# KiCad board dacboard.kicad_pcb (continued)
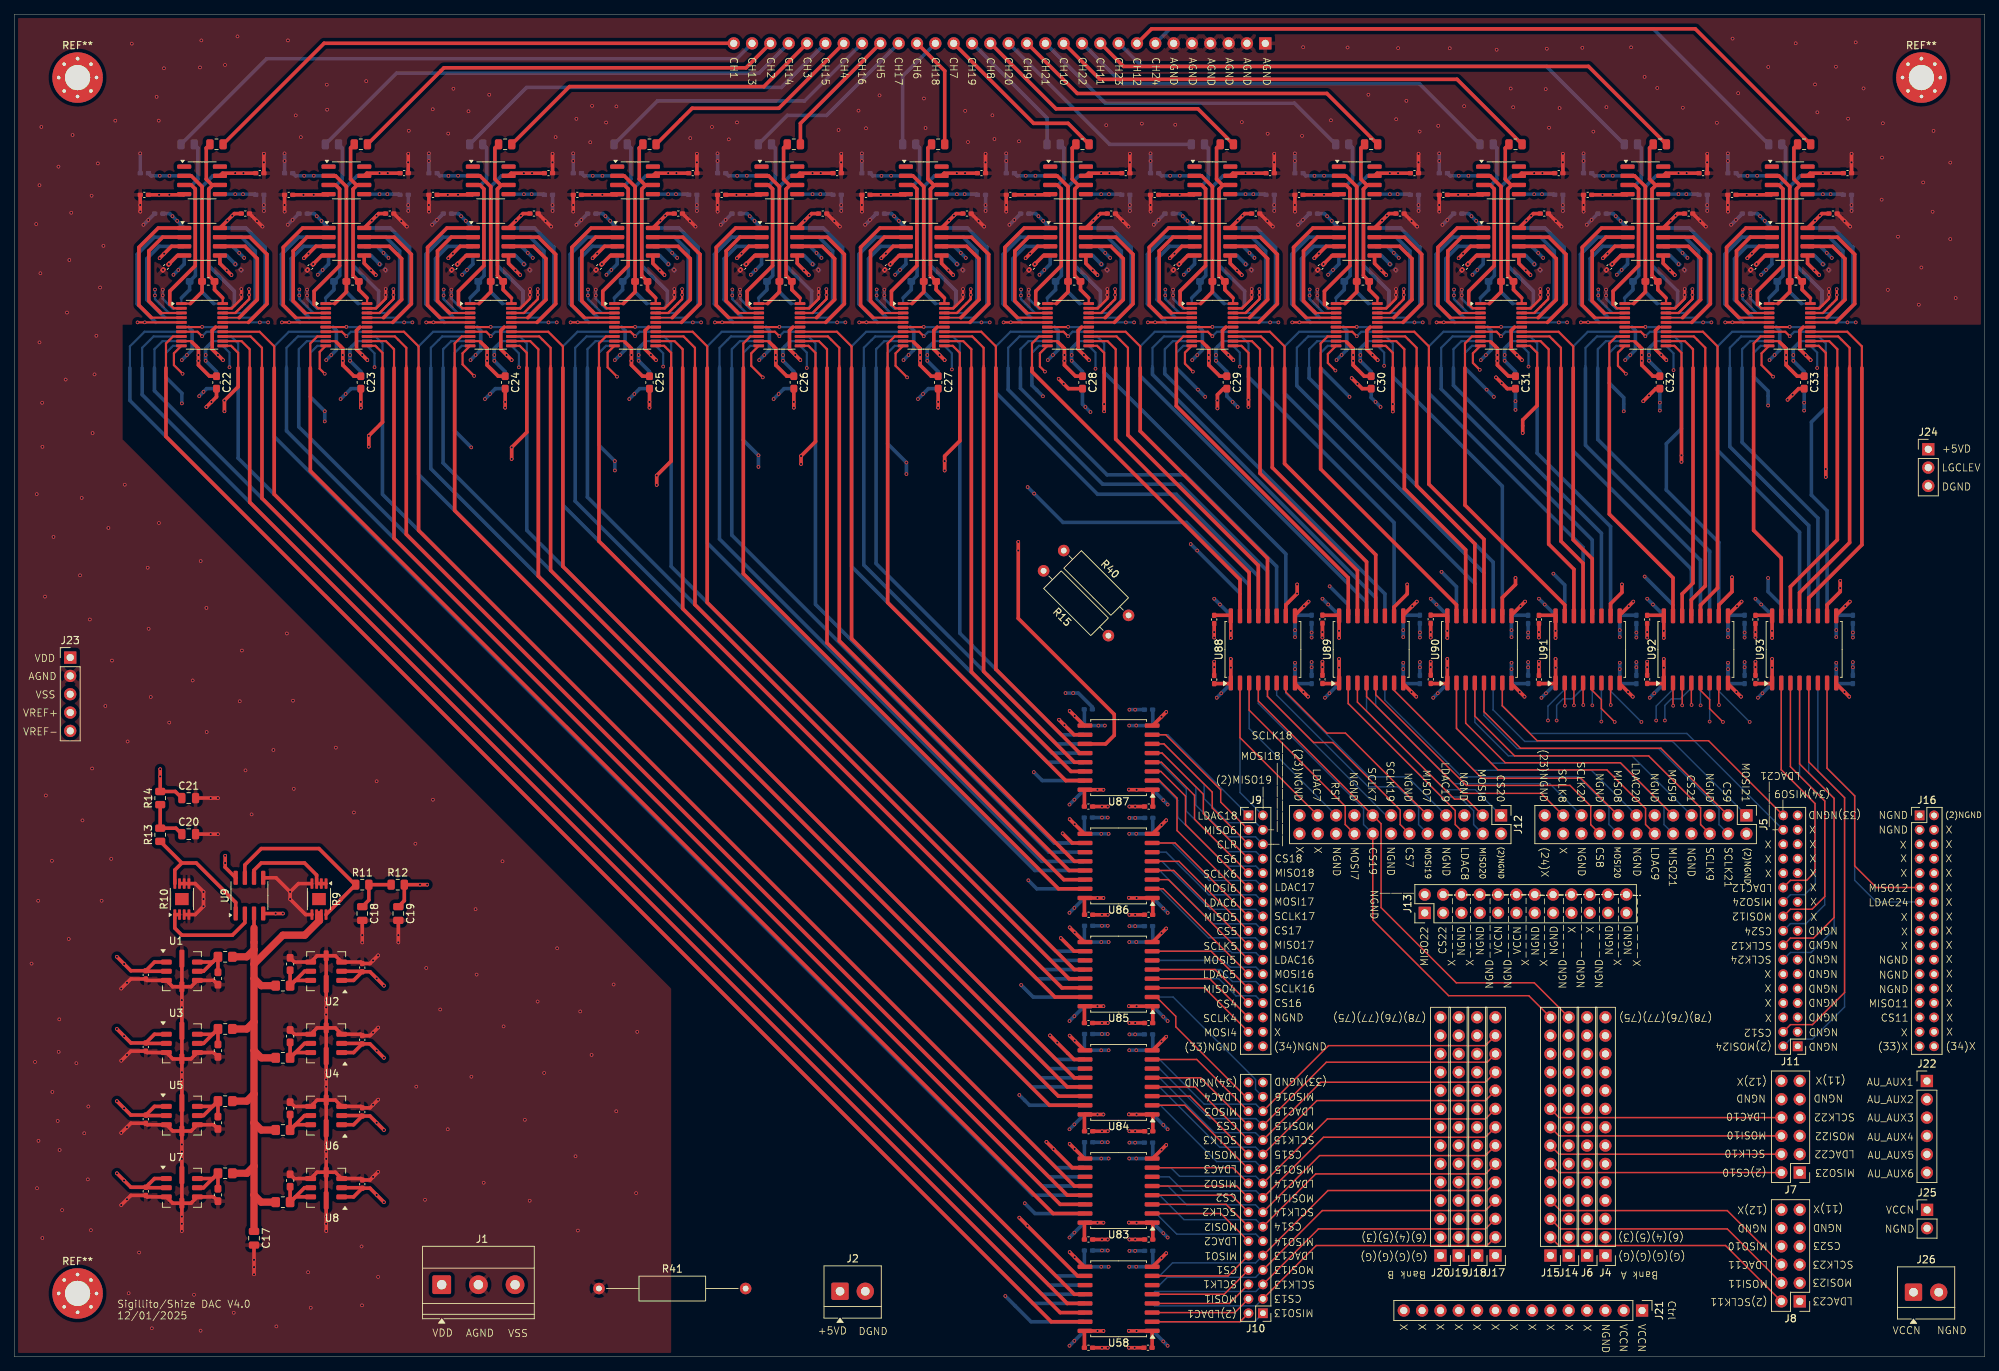
[diagram p0: board, top side]
## Routing (per net, layer and track width the routed paths; a pad name or vN(x,y) marks a point on that pad's centre or on a via; arc(x,y) is an arc through that point) (continued)
DGND: length 349.1
  Top w0.3: U10.15 27.88,142.68 ; U32.15 227.88,142.68 ; U33.15 247.88,142.68 ; U28.15 187.88,142.68 ; U13.15 47.88,142.68 ; U27.15 167.88,142.68 ; U21.15 127.88,142.68 ; U19.15 107.88,142.68 ; U26.15 147.88,142.68 ; U15.15 67.88,142.68 ; U29.15 207.88,142.68 ; U17.15 87.88,142.68
  Top w0.5: v1(245.7,132.6) 247.24,134.14 C33.2 ; 149.4,31.22 v1(151.5,31.22) ; v1(208.9,138.1) 207.4,139.6 207.4,142.2 207.88,142.68 ; C75.1 v1(151.5,16.22) ; v1(248.9,138.1) 247.4,139.6 247.4,142.2 247.88,142.68 ; v1(146.22,14.47) 148.25,12.44 148.26,12.44 ; C24.2 v1(68,131.5) ; v1(194.32,104.62) 192.44,102.75 ; 148.25,27.44 v1(146.22,29.47) ; C93.1 v1(211.25,99.65) ; v1(239.32,104.62) 237.44,102.75 ; C25.2 v1(88,131.5) ; 148.25,72.44 v1(146.22,74.47) ; C28.2 146.06,134.14 v1(144.7,135.5) ; 167.88,142.68 167.4,142.2 167.4,139.6 v1(168.9,138.1) ; C81.1 v1(151.5,46.22) ; v1(179.32,104.62) 177.44,102.75 177.44,102.74 ; v1(205.3,135.7) 206.86,134.14 C31.2 ; v1(228.9,138.1) 227.4,139.6 227.4,142.2 227.88,142.68 ; v1(48.9,138.1) 47.4,139.6 47.4,142.2 47.88,142.68 ; 148.25,42.44 v1(146.22,44.47) ; v1(209.32,104.62) 207.44,102.75 ; 149.4,61.22 v1(151.5,61.22) ; v1(185.3,135.6) 186.76,134.14 C30.2 ; C73.1 v1(151.5,1.22) ; v1(148.9,138.1) 147.4,139.6 147.4,142.2 147.88,142.68 ; C29.2 167.54,134.14 166.7,133.3 v1(166.7,131.4) ; C26.2 v1(108,131.5) ; v1(68.9,138.1) 67.4,139.6 67.4,142.2 67.88,142.68 ; C87.1 v1(166.25,99.65) ; 187.88,142.68 187.4,142.2 187.4,139.6 v1(188.9,138.1) ; C32.2 227.44,134.14 v1(225.7,132.4) ; 148.25,57.44 v1(146.22,59.47) ; v1(108.9,138.1) 107.4,139.6 107.4,142.2 107.88,142.68 ; 148.25,87.44 v1(146.22,89.47) ; v1(254.32,104.62) 252.44,102.75 ; 87.88,142.68 87.4,142.2 87.4,139.6 v1(88.9,138.1) ; v1(128.9,138.1) 127.4,139.6 127.4,142.2 127.88,142.68 ; 181.25,101.58 v1(181.25,99.65) ; C27.2 v1(128,131.5) ; C22.2 28,133 v1(26.6,131.6) ; 149.4,76.22 v1(151.5,76.22) ; 196.25,101.58 v1(196.25,99.65) ; C94.1 v1(226.25,99.65) ; C23.2 v1(48,131.5) ; v1(224.32,104.62) 222.44,102.75 ; C95.1 v1(241.25,99.65) ; 27.88,142.68 27.4,142.2 27.4,139.6 v1(28.9,138.1)
  Bottom w0.3: 83.15,142.68 84.14,142.68 ; 143.15,142.68 144.14,142.68 ; 243.15,142.68 244.14,142.68 ; 163.15,142.68 164.14,142.68 ; 123.15,142.68 124.14,142.68 ; 63.15,142.68 64.14,142.68 ; 43.15,142.68 44.14,142.68 ; 223.15,142.68 224.14,142.68 ; 23.15,142.68 24.14,142.68 ; 183.15,142.68 184.14,142.68 ; 203.15,142.68 204.14,142.68 ; 103.15,142.68 104.14,142.68
  Bottom w0.5: C25.2 86.64,134.14 v1(85.2,132.7) ; 184.14,142.68 184.61,142.2 184.61,139.51 v1(183.2,138.1) ; v1(169.5,131.6) 168,133.1 C29.2 ; v1(149.1,130.9) 148,132 C28.2 ; 168.56,102.74 168.54,102.74 v1(166.25,105.03) ; v1(105.2,132.7) 106.64,134.14 C26.2 ; C31.2 v1(208,131.2) ; C118.1 v1(239.75,99.65) ; 104.14,142.68 104.61,142.2 104.61,139.51 v1(103.2,138.1) ; v1(83.2,138.1) 84.61,139.51 84.61,142.2 84.14,142.68 ; v1(143.2,138.1) 144.61,139.51 144.61,142.2 144.14,142.68 ; 224.75,101.61 v1(224.75,99.65) ; 64.14,142.68 64.61,142.2 64.61,139.51 v1(63.2,138.1) ; C33.2 v1(248,131.1) ; 149.4,44.7 v1(151.5,44.7) ; 209.75,101.61 v1(209.75,99.65) ; 149.4,29.7 v1(151.5,29.7) ; v1(43.2,138.1) 44.61,139.51 44.61,142.2 44.14,142.68 ; C107.1 149.37,90.01 147.43,91.95 v1(145.65,91.95) ; v1(223.2,138.1) 224.61,139.51 224.61,142.2 224.14,142.68 ; C99.1 v1(151.5,14.7) ; 244.14,142.68 244.61,142.2 244.61,139.51 v1(243.2,138.1) ; v1(125.2,132.7) 126.64,134.14 C27.2 ; 254.75,101.61 v1(254.75,99.65) ; 148.26,3.56 148.25,3.56 v1(146.2,1.5) ; 164.14,142.68 164.61,142.2 164.61,139.51 v1(163.2,138.1) ; C24.2 66.64,134.14 v1(65.2,132.7) ; 198.54,102.74 v1(196.25,105.03) ; v1(146.2,46.5) 148.25,48.56 ; v1(146.2,61.5) 148.25,63.56 ; v1(123.2,138.1) 124.61,139.51 124.61,142.2 124.14,142.68 ; C22.2 26.64,134.14 v1(25.6,133.1) ; 24.14,142.68 24.61,142.2 24.61,139.51 v1(23.2,138.1) ; 149.4,74.7 v1(151.5,74.7) ; C23.2 46.64,134.14 v1(45.2,132.7) ; 149.4,59.7 v1(151.5,59.7) ; 213.54,102.74 v1(211.25,105.03) ; 243.54,102.74 v1(241.25,105.03) ; 228.54,102.74 v1(226.25,105.03) ; C112.1 v1(194.75,99.65) ; 204.14,142.68 204.61,142.2 204.61,139.51 v1(203.2,138.1) ; C30.2 188,132.9 v1(189.3,131.6) ; v1(146.2,31.5) 148.25,33.56 ; v1(146.2,16.5) 148.25,18.56 ; C32.2 v1(228,131.1) ; 183.54,102.74 v1(181.25,105.03) ; C111.1 v1(179.75,99.65) ; v1(146.2,76.5) 148.25,78.56
  vias: v1(23.9,138.8) v1(26.2,133.7) v1(27.3,132.3) v1(28.2,138.8) v1(43.9,138.8) v1(45.9,133.4) v1(48,132.3) v1(48.2,138.8) v1(63.9,138.8) v1(65.9,133.4) v1(68,132.3) v1(68.2,138.8) v1(83.9,138.8) v1(85.9,133.4) v1(88,132.3) v1(88.2,138.8) v1(103.9,138.8) v1(105.9,133.4) v1(108,132.3) v1(108.2,138.8) v1(123.9,138.8) v1(125.9,133.4) v1(128,132.3) v1(128.2,138.8) v1(143.9,138.8) v1(145.4,134.8) v1(146.7,91.95) v1(146.93,88.78) v1(146.88,77.17) v1(146.93,73.78) v1(146.88,62.18) v1(146.93,58.78) v1(146.88,47.18) v1(146.93,43.78) v1(146.88,32.18) v1(146.93,28.78) v1(146.88,17.18) v1(146.93,13.78) v1(146.88,2.18) v1(148.2,138.8) v1(148.4,131.6) v1(150.7,76.22) v1(150.7,74.7) v1(150.7,61.22) v1(150.7,59.7) v1(150.7,46.22) v1(150.7,44.7) v1(150.7,31.22) v1(150.7,29.7) v1(150.7,16.22) v1(150.7,14.7) v1(150.7,1.22) v1(163.9,138.8) v1(166.25,100.4) v1(166.7,132.5) v1(167.05,104.22) v1(168.2,138.8) v1(168.8,132.3) v1(178.7,104) v1(179.75,100.35) v1(181.25,100.4) v1(182.05,104.22) v1(183.9,138.8) v1(186.1,134.8) v1(188.2,138.8) v1(188.6,132.3) v1(193.7,104) v1(194.75,100.35) v1(196.25,100.4) v1(197.05,104.22) v1(203.9,138.8) v1(206.1,134.9) v1(208,132.4) v1(208.2,138.8) v1(208.7,104) v1(209.75,100.35) v1(211.25,100.4) v1(212.05,104.22) v1(223.7,104) v1(223.9,138.8) v1(224.75,100.35) v1(226.25,100.4) v1(226.5,133.2) v1(227.05,104.22) v1(228,132.2) v1(228.2,138.8) v1(238.7,104) v1(239.75,100.35) v1(241.25,100.4) v1(242.05,104.22) v1(243.9,138.8) v1(246.4,133.3) v1(248,132.2) v1(248.2,138.8) v1(253.7,104) v1(254.75,100.35)
VCCN: length 132
  Top w0.5: 226.25,93.25 226.26,93.26 228.56,93.26 228.56,96.67 ; 196.25,93.25 196.26,93.26 198.56,93.26 198.56,96.67 ; C84.2 166.26,93.26 168.56,93.26 168.56,96.67 v1(168.55,96.67) ; 243.56,96.67 243.56,93.26 241.26,93.26 241.25,93.25 ; 157.74,78.56 154.43,78.56 ; 157.74,33.56 154.43,33.56 ; 157.74,46.22 157.74,48.55 ; 157.74,3.55 157.74,3.56 154.43,3.56 154.43,3.55 ; 157.74,48.56 154.43,48.56 ; 157.66,3.55 U58.1 157.65,1.23 C72.2 ; 213.56,96.67 213.56,93.26 211.26,93.26 211.25,93.25 ; 181.25,93.25 181.26,93.26 183.56,93.26 183.56,96.67 ; 157.74,61.22 157.74,63.55 ; 157.74,16.22 157.74,18.55 ; 157.74,76.22 157.74,78.55 ; 157.74,63.56 154.43,63.56 ; 157.74,31.22 157.74,33.55 ; 157.74,18.56 154.43,18.56
  Bottom w0.5: 237.44,96.14 237.44,93.26 239.74,93.26 ; v1(177.45,96.15) 177.44,96.14 177.44,93.26 179.74,93.26 C108.2 ; 157.74,74.65 157.74,72.44 154.48,72.44 ; v1(154.47,12.45) 154.48,12.44 157.74,12.44 C96.2 ; 157.74,29.65 157.74,27.44 154.48,27.44 ; 209.74,93.26 207.44,93.26 207.44,96.14 ; 194.74,93.26 192.44,93.26 192.44,96.14 ; 254.74,93.26 252.44,93.26 252.44,96.14 ; 157.74,89.65 157.74,87.44 154.48,87.44 ; 224.74,93.26 222.44,93.26 222.44,96.14 ; 154.48,57.44 157.74,57.44 157.74,59.65 ; 157.74,44.65 157.74,42.44 154.48,42.44
  vias: v1(154.43,78.58) v1(154.43,63.57) v1(154.43,48.57) v1(154.43,33.57) v1(154.43,18.57) v1(154.43,3.57) v1(154.47,87.45) v1(154.47,72.45) v1(154.47,57.45) v1(154.47,42.45) v1(154.47,27.45) v1(155.45,87.45) v1(155.45,72.45) v1(155.45,57.45) v1(155.45,42.45) v1(155.45,27.45) v1(155.45,12.45) v1(155.5,78.55) v1(155.5,63.55) v1(155.5,48.55) v1(155.5,33.55) v1(155.5,18.55) v1(155.5,3.55) v1(168.56,95.47) v1(177.45,95.28) v1(183.55,96.67) v1(183.56,95.47) v1(192.45,96.15) v1(192.45,95.28) v1(198.55,96.67) v1(198.56,95.47) v1(207.45,96.15) v1(207.45,95.28) v1(213.55,96.67) v1(213.56,95.47) v1(222.45,96.15) v1(222.45,95.28) v1(228.55,96.67) v1(228.56,95.47) v1(237.45,96.15) v1(237.45,95.28) v1(243.55,96.67) v1(243.56,95.47) v1(252.45,96.15) v1(252.45,95.28)
VDD: length 449.8
  Top w0.3: U15.5 57.06,143.32 ; U32.5 217.06,143.32 ; v1(17.06,143.32) 17.07,143.32 U10.5 ; U26.5 137.06,143.32 ; U29.5 197.06,143.32 ; U19.5 97.06,143.32 ; U21.5 117.06,143.32 ; U27.5 157.06,143.32 ; U28.5 177.06,143.32 ; U33.5 237.06,143.32 ; U17.5 77.06,143.32 ; U13.5 37.06,143.32
  Top w0.5: C15.1 47,22.13 U8.1 ; C15.1 49.27,23.33 v1(51.2,21.4) ; C15.1 48.13,23.4 U8.2 ; U62.7 88.84,164 C172.1 ; v1(29.2,69.4) v1(29.2,68.4) 29.2,67.81 U9.8 ; C182.1 188.84,164 U67.7 ; C130.1 150.47,158.4 U22.8 ; U59.7 28.84,164 C166.1 ; U31.8 250.47,158.4 C140.1 ; C7.1 49.27,43.33 v1(51.2,41.4) ; C7.1 47,42.13 U4.1 ; C7.1 48.13,43.4 U4.2 ; v1(14.2,35.4) 16.13,33.47 C9.1 ; C174.1 108.84,164 U63.7 ; C180.1 168.84,164 U66.7 ; C1.1 16.13,53.47 v1(15.2,54.4) v1(14.2,55.4) ; C1.1 19.4,54.67 U1.1 ; C1.1 18.27,53.4 U1.2 ; U70.7 248.84,164 C188.1 ; U18.8 110.47,158.4 C122.1 ; v1(51.2,51.4) 49.27,53.33 C3.1 ; C11.1 48.13,33.4 U6.2 ; C11.1 47,32.13 U6.1 ; C11.1 49.27,33.33 v1(51.2,31.4) ; C136.1 210.47,158.4 U25.8 ; U30.8 230.47,158.4 C138.1 ; U65.7 148.84,164 C178.1 ; C3.1 48.13,53.4 U2.2 ; C3.1 47,52.13 U2.1 ; C5.1 16.13,43.47 v1(14.2,45.4) ; C5.1 18.27,43.4 U3.2 ; C5.1 19.4,44.67 U3.1 ; C13.1 18.27,23.4 U7.2 ; C13.1 16.13,23.47 v1(14.2,25.4) ; C13.1 19.4,24.67 U7.1 ; C120.1 70.47,158.4 U14.8 ; C186.1 228.84,164 U69.7 ; C121.1 90.47,158.4 U16.8 ; C168.1 48.84,164 U60.7 ; U20.8 130.47,158.4 C123.1 ; C71.1 50.47,158.4 U12.8 ; U11.8 30.47,158.4 C46.1 ; U64.7 128.84,164 C176.1 ; C132.1 170.47,158.4 U23.8 ; C9.1 18.27,33.4 U5.2 ; C9.1 19.4,34.67 U5.1 ; U24.8 190.47,158.4 C134.1 ; U61.7 68.84,164 C170.1 ; C184.1 208.84,164 U68.7
  Bottom w0.3: U53.5 215.16,143.32 ; U44.5 115.17,143.32 ; U45.5 135.16,143.32 ; U40.5 75.17,143.32 ; U57.5 255.17,143.32 ; U50.5 155.16,143.32 ; U38.5 35.16,143.32 ; U52.5 195.16,143.32 ; U41.5 95.17,143.32 ; U39.5 55.17,143.32 ; U51.5 175.16,143.32 ; U56.5 235.16,143.32
  Bottom w0.5: U74.7 78.93,163.63 C196.1 ; C144.1 41.53,158.4 U35.8 ; U47.8 161.53,158.4 C156.1 ; U42.8 101.53,158.4 C150.1 ; U71.7 18.93,163.63 C190.1 ; U82.7 238.93,163.63 C212.1 ; C210.1 218.93,163.63 U81.7 ; C162.1 221.53,158.4 U54.8 ; U36.8 61.53,158.4 C146.1 ; C152.1 121.53,158.4 U43.8 ; C208.1 198.93,163.63 U80.7 ; U46.8 141.53,158.4 C154.1 ; U72.7 38.93,163.63 C192.1 ; U34.8 21.53,158.4 C142.1 ; C202.1 138.93,163.63 U77.7 ; U78.7 158.93,163.63 C204.1 ; U48.8 181.53,158.4 C158.1 ; U76.7 118.93,163.63 C200.1 ; C206.1 178.93,163.63 U79.7 ; C198.1 98.93,163.63 U75.7 ; U55.8 241.53,158.4 C164.1 ; U37.8 81.53,158.4 C148.1 ; C160.1 201.53,158.4 U49.8 ; U73.7 58.93,163.63 C194.1
  vias: v1(15.2,44.4) v1(15.2,34.4) v1(15.2,24.4) v1(18.06,143.33) v1(20.14,163.64) v1(21.48,163.65) v1(21.9,158.04) v1(22.55,157.39) v1(29.51,157.44) v1(30.18,158.11) v1(30.59,164) v1(31.73,164) v1(34,143.32) v1(35.15,143.32) v1(37.06,143.32) v1(38.06,143.33) v1(40.14,163.64) v1(41.48,163.65) v1(41.9,158.04) v1(42.55,157.39) v1(49.51,157.44) v1(50.18,158.11) v1(50.2,52.4) v1(50.2,42.4) v1(50.2,32.4) v1(50.2,22.4) v1(50.59,164) v1(51.73,164) v1(54,143.32) v1(55.15,143.32) v1(57.06,143.32) v1(58.06,143.33) v1(60.14,163.64) v1(61.48,163.65) v1(61.9,158.04) v1(62.55,157.39) v1(69.51,157.44) v1(70.18,158.11) v1(70.59,164) v1(71.73,164) v1(74,143.32) v1(75.15,143.32) v1(77.06,143.32) v1(78.06,143.33) v1(80.14,163.64) v1(81.48,163.65) v1(81.9,158.04) v1(82.55,157.39) v1(89.51,157.44) v1(90.18,158.11) v1(90.59,164) v1(91.73,164) v1(94,143.32) v1(95.15,143.32) v1(97.06,143.32) v1(98.06,143.33) v1(100.14,163.64) v1(101.48,163.65) v1(101.9,158.04) v1(102.55,157.39) v1(109.51,157.44) v1(110.18,158.11) v1(110.59,164) v1(111.73,164) v1(114,143.32) v1(115.15,143.32) v1(117.06,143.32) v1(118.06,143.33) v1(120.14,163.64) v1(121.48,163.65) v1(121.9,158.04) v1(122.55,157.39) v1(129.51,157.44) v1(130.18,158.11) v1(130.59,164) v1(131.73,164) v1(134,143.32) v1(135.15,143.32) v1(137.06,143.32) v1(138.06,143.33) v1(140.14,163.64) v1(141.48,163.65) v1(141.9,158.04) v1(142.55,157.39) v1(149.51,157.44) v1(150.18,158.11) v1(150.59,164) v1(151.73,164) v1(154,143.32) v1(155.15,143.32) v1(157.06,143.32) v1(158.06,143.33) v1(160.14,163.64) v1(161.48,163.65) v1(161.9,158.04) v1(162.55,157.39) v1(169.51,157.44) v1(170.18,158.11) v1(170.59,164) v1(171.73,164) v1(174,143.32) v1(175.15,143.32) v1(177.06,143.32) v1(178.06,143.33) v1(180.14,163.64) v1(181.48,163.65) v1(181.9,158.04) v1(182.55,157.39) v1(189.51,157.44) v1(190.18,158.11) v1(190.59,164) v1(191.73,164) v1(194,143.32) v1(195.15,143.32) v1(197.06,143.32) v1(198.06,143.33) v1(200.14,163.64) v1(201.48,163.65) v1(201.9,158.04) v1(202.55,157.39) v1(209.51,157.44) v1(210.18,158.11) v1(210.59,164) v1(211.73,164) v1(214,143.32) v1(215.15,143.32) v1(217.06,143.32) v1(218.06,143.33) v1(220.14,163.64) v1(221.48,163.65) v1(221.9,158.04) v1(222.55,157.39) v1(229.51,157.44) v1(230.18,158.11) v1(230.59,164) v1(231.73,164) v1(234,143.32) v1(235.15,143.32) v1(237.06,143.32) v1(238.06,143.33) v1(240.14,163.64) v1(241.48,163.65) v1(241.9,158.04) v1(242.55,157.39) v1(249.51,157.44) v1(250.18,158.11) v1(250.59,164) v1(251.73,164) v1(254,143.32) v1(255.15,143.32)
VSS: length 463.3
  Top w0.3: 71.9,145.93 72.52,146.55 ; 71.9,145.93 71.47,145.5 ; 71.9,145.93 72.52,146.55 ; 71.9,145.93 71.47,145.5 ; 72.52,146.55 72.52,147.91 72.52,146.55 ; 110.6,144.62 U19.18 110.6,144.62 ; 110.6,144.62 111.47,145.5 ; 110.6,144.62 111.47,145.5 ; 231.47,145.5 231.9,145.93 ; 231.47,145.5 230.6,144.62 ; 231.47,145.5 230.6,144.62 ; 231.47,145.5 231.9,145.93 ; 231.9,145.93 232.52,146.55 ; 231.9,145.93 232.52,146.55 ; 170.6,144.62 171.47,145.5 ; 170.6,144.62 171.47,145.5 ; 170.6,144.62 U27.18 170.6,144.62 ; 171.47,145.5 171.9,145.93 ; 171.47,145.5 171.9,145.93 ; 130.6,144.62 131.47,145.5 ; 130.6,144.62 131.47,145.5 ; 130.6,144.62 U21.18 130.6,144.62 ; 131.47,145.5 131.9,145.93 ; 131.47,145.5 131.9,145.93 ; 131.9,145.93 132.52,146.55 ; 131.9,145.93 132.52,146.55 ; 132.52,146.55 132.52,147.91 132.52,146.55 ; 250.6,144.62 U33.18 250.6,144.62 ; 250.6,144.62 251.48,145.5 ; 250.6,144.62 251.48,145.5 ; 150.6,144.62 U26.18 150.6,144.62 ; 150.6,144.62 151.47,145.5 ; 150.6,144.62 151.47,145.5 ; 50.6,144.62 51.48,145.5 ; 50.6,144.62 51.48,145.5 ; 50.6,144.62 U13.18 50.6,144.62 ; 51.48,145.5 51.9,145.93 ; 51.48,145.5 51.9,145.93 ; 211.9,145.93 212.52,146.55 ; 211.9,145.93 211.47,145.5 ; 211.9,145.93 212.52,146.55 ; 211.9,145.93 211.47,145.5 ; 212.52,146.55 212.52,147.91 212.52,146.55 ; 230.6,144.62 U32.18 230.6,144.62 ; 51.9,145.93 52.52,146.55 ; 51.9,145.93 52.52,146.55 ; 52.52,146.55 52.52,147.91 52.52,146.55 ; 71.47,145.5 70.6,144.62 ; 71.47,145.5 70.6,144.62 ; 171.9,145.93 172.52,146.55 ; 171.9,145.93 172.52,146.55 ; 172.52,146.55 172.52,147.91 172.52,146.55 ; 211.47,145.5 210.6,144.62 ; 211.47,145.5 210.6,144.62 ; 30.6,144.62 31.48,145.5 ; 30.6,144.62 U10.18 30.6,144.62 ; 30.6,144.62 31.48,145.5 ; 31.48,145.5 31.9,145.93 ; 31.48,145.5 31.9,145.93 ; 191.47,145.5 191.9,145.93 ; 191.47,145.5 190.6,144.62 ; 191.47,145.5 191.9,145.93 ; 191.47,145.5 190.6,144.62 ; 191.9,145.93 192.52,146.55 ; 191.9,145.93 192.52,146.55 ; 70.6,144.62 U15.18 70.6,144.62 ; 92.52,146.55 92.52,147.91 92.52,146.55 ; 92.52,146.55 91.9,145.93 ; 92.52,146.55 91.9,145.93 ; 251.48,145.5 251.9,145.93 ; 251.48,145.5 251.9,145.93 ; 251.9,145.93 252.52,146.55 ; 251.9,145.93 252.52,146.55 ; 31.9,145.93 32.52,146.55 ; 31.9,145.93 32.52,146.55 ; 32.52,146.55 32.52,147.91 32.52,146.55 ; 190.6,144.62 U28.18 190.6,144.62 ; 232.52,146.55 232.52,147.91 232.52,146.55 ; 151.47,145.5 151.9,145.93 ; 151.47,145.5 151.9,145.93 ; 151.9,145.93 152.52,146.55 ; 151.9,145.93 152.52,146.55 ; 252.52,146.55 252.52,147.91 252.52,146.55 ; 152.52,146.55 152.52,147.91 152.52,146.55 ; 210.6,144.62 U29.18 210.6,144.62 ; 111.9,145.93 112.52,146.55 ; 111.9,145.93 111.47,145.5 ; 111.9,145.93 111.47,145.5 ; 111.9,145.93 112.52,146.55 ; 112.52,146.55 112.52,147.91 112.52,146.55 ; 91.9,145.93 91.47,145.5 ; 91.9,145.93 91.47,145.5 ; 91.47,145.5 90.6,144.62 ; 91.47,145.5 90.6,144.62 ; 192.52,146.55 192.52,147.91 192.52,146.55 ; 90.6,144.62 U17.18 90.6,144.62
  Top w0.5: U59.4 23.43,161 C167.1 ; v1(61.4,151.4) 62.59,152.59 U14.4 ; U68.4 203.43,161 C185.1 ; U64.4 123.43,161 C177.1 ; U67.4 183.43,161 C183.1 ; v1(81.4,151.4) 82.59,152.59 U16.4 ; v1(161.4,151.4) 162.59,152.59 U23.4 ; U30.4 222.59,152.59 v1(221.4,151.4) ; C179.1 143.43,161 U65.4 ; U18.4 102.59,152.59 v1(101.4,151.4) ; U63.4 103.43,161 C175.1 ; C187.1 223.43,161 U69.4 ; U62.4 83.43,161 C173.1 ; U24.4 182.59,152.59 v1(181.4,151.4) ; C189.1 243.43,161 U70.4 ; U31.4 242.59,152.59 v1(241.4,151.4) ; v1(201.4,151.4) 202.59,152.59 U25.4 ; U66.4 163.43,161 C181.1 ; U11.4 22.59,152.59 v1(21.4,151.4) ; U60.4 43.43,161 C169.1 ; U12.4 42.59,152.59 v1(41.4,151.4) ; U61.4 63.43,161 C171.1 ; U9.4 v1(37.2,61.4) ; v1(121.4,151.4) 122.59,152.59 U20.4 ; v1(141.4,151.4) 142.59,152.59 U22.4
  Bottom w0.3: 120.52,145.5 120.1,145.93 ; 120.52,145.5 121.4,144.62 ; 120.52,145.5 121.4,144.62 ; 120.52,145.5 120.1,145.93 ; 120.1,145.93 119.48,146.55 ; 120.1,145.93 119.48,146.55 ; 221.4,144.62 U56.18 221.4,144.62 ; 221.4,144.62 220.52,145.5 ; 221.4,144.62 220.52,145.5 ; 21.4,144.62 23.14,144.62 21.4,144.62 ; 21.4,144.62 20.52,145.5 ; 21.4,144.62 20.52,145.5 ; 181.4,144.62 U52.18 181.4,144.62 ; 181.4,144.62 180.52,145.5 ; 181.4,144.62 180.52,145.5 ; 161.4,144.62 U51.18 161.4,144.62 ; 161.4,144.62 160.52,145.5 ; 161.4,144.62 160.52,145.5 ; 121.4,144.62 U45.18 121.4,144.62 ; 180.52,145.5 180.1,145.93 ; 180.52,145.5 180.1,145.93 ; 240.52,145.5 240.1,145.93 ; 240.52,145.5 240.1,145.93 ; 240.52,145.5 241.4,144.62 ; 240.52,145.5 241.4,144.62 ; 240.1,145.93 239.48,146.55 ; 240.1,145.93 239.48,146.55 ; 220.52,145.5 220.1,145.93 ; 220.52,145.5 220.1,145.93 ; 220.1,145.93 219.48,146.55 ; 220.1,145.93 219.48,146.55 ; 139.48,146.55 139.48,147.91 139.48,146.55 ; 139.48,146.55 140.1,145.93 ; 139.48,146.55 140.1,145.93 ; 159.48,146.55 159.48,147.91 159.48,146.55 ; 159.48,146.55 160.1,145.93 ; 159.48,146.55 160.1,145.93 ; 140.1,145.93 140.52,145.5 ; 140.1,145.93 140.52,145.5 ; 61.4,144.62 U40.18 61.4,144.62 ; 61.4,144.62 60.52,145.5 ; 61.4,144.62 60.52,145.5 ; 160.1,145.93 160.52,145.5 ; 160.1,145.93 160.52,145.5 ; 241.4,144.62 U57.18 241.4,144.62 ; 60.52,145.5 60.1,145.93 ; 60.52,145.5 60.1,145.93 ; 20.52,145.5 20.1,145.93 ; 20.52,145.5 20.1,145.93 ; 60.1,145.93 59.48,146.55 ; 60.1,145.93 59.48,146.55 ; 81.4,144.62 80.52,145.5 ; 81.4,144.62 U41.18 81.4,144.62 ; 81.4,144.62 80.52,145.5 ; 80.52,145.5 80.1,145.93 ; 80.52,145.5 80.1,145.93 ; 219.48,146.55 219.48,147.91 219.48,146.55 ; 41.4,144.62 U39.18 41.4,144.62 ; 41.4,144.62 40.52,145.5 ; 41.4,144.62 40.52,145.5 ; 100.1,145.93 99.48,146.55 ; 100.1,145.93 99.48,146.55 ; 100.1,145.93 100.52,145.5 ; 100.1,145.93 100.52,145.5 ; 99.48,146.55 99.48,147.91 99.48,146.55 ; 101.4,144.62 U44.18 101.4,144.62 ; 101.4,144.62 100.52,145.5 ; 101.4,144.62 100.52,145.5 ; 141.4,144.62 140.52,145.5 ; 141.4,144.62 U50.18 141.4,144.62 ; 141.4,144.62 140.52,145.5 ; 40.52,145.5 40.1,145.93 ; 40.52,145.5 40.1,145.93 ; 40.1,145.93 39.48,146.55 ; 40.1,145.93 39.48,146.55 ; 201.4,144.62 200.52,145.5 ; 201.4,144.62 U53.18 201.4,144.62 ; 201.4,144.62 200.52,145.5 ; 200.52,145.5 200.1,145.93 ; 200.52,145.5 200.1,145.93 ; 179.48,146.55 179.48,147.91 179.48,146.55 ; 179.48,146.55 180.1,145.93 ; 179.48,146.55 180.1,145.93 ; 239.48,146.55 239.48,147.91 239.48,146.55 ; 59.48,146.55 59.48,147.91 59.48,146.55 ; 20.1,145.93 19.48,146.55 ; 20.1,145.93 19.48,146.55 ; 19.48,146.55 19.48,147.91 19.48,146.55 ; 80.1,145.93 79.48,146.55 ; 80.1,145.93 79.48,146.55 ; 79.48,146.55 79.48,147.91 79.48,146.55 ; 200.1,145.93 199.48,146.55 ; 200.1,145.93 199.48,146.55 ; 199.48,146.55 199.48,147.91 199.48,146.55 ; 119.48,146.55 119.48,147.91 119.48,146.55 ; 39.48,146.55 39.48,147.91 39.48,146.55
  Bottom w0.5: 248.47,152.59 249.4,152.59 v1(250.6,151.4) ; v1(110.6,151.4) 109.4,152.59 108.47,152.59 ; 188.47,152.59 189.4,152.59 v1(190.6,151.4) ; 48.47,152.59 49.4,152.59 v1(50.6,151.4) ; 68.47,161.09 73.34,161.09 ; 88.47,152.59 89.4,152.59 v1(90.6,151.4) ; 128.47,161.09 133.34,161.09 ; v1(30.6,151.4) 29.4,152.59 28.47,152.59 ; 48.47,161.09 53.34,161.09 ; 68.47,152.59 69.4,152.59 v1(70.6,151.4) ; v1(170.6,151.4) 169.4,152.59 168.47,152.59 ; 168.47,161.09 173.34,161.09 ; U71.4 33.34,161.09 C191.1 ; 88.47,161.09 93.34,161.09 ; 208.47,161.09 213.34,161.09 ; 228.47,161.09 233.34,161.09 ; 148.47,161.09 153.34,161.09 ; 208.47,152.59 209.4,152.59 v1(210.6,151.4) ; 188.47,161.09 193.34,161.09 ; 228.47,152.59 229.4,152.59 v1(230.6,151.4) ; v1(150.6,151.4) 149.4,152.59 148.47,152.59 ; 128.47,152.59 129.4,152.59 v1(130.6,151.4) ; 248.47,161.09 253.34,161.09 ; 108.47,161.09 113.34,161.09
  vias: v1(19.48,147.88) v1(19.47,147.06) v1(20.05,161) v1(21.47,161.01) v1(30.59,161.09) v1(31.67,161.09) v1(32.51,147.93) v1(32.52,147.14) v1(36.2,61.4) v1(39.48,147.88) v1(39.47,147.06) v1(40.05,161) v1(41.47,161.01) v1(50.59,161.09) v1(51.67,161.09) v1(52.51,147.93) v1(52.52,147.14) v1(59.48,147.88) v1(59.47,147.06) v1(60.05,161) v1(61.47,161.01) v1(70.59,161.09) v1(71.67,161.09) v1(72.51,147.93) v1(72.52,147.14) v1(79.48,147.88) v1(79.47,147.06) v1(80.05,161) v1(81.47,161.01) v1(90.59,161.09) v1(91.67,161.09) v1(92.51,147.93) v1(92.52,147.14) v1(99.48,147.88) v1(99.47,147.06) v1(100.05,161) v1(101.47,161.01) v1(110.59,161.09) v1(111.67,161.09) v1(112.51,147.93) v1(112.52,147.14) v1(119.48,147.88) v1(119.47,147.06) v1(120.05,161) v1(121.47,161.01) v1(130.59,161.09) v1(131.67,161.09) v1(132.51,147.93) v1(132.52,147.14) v1(139.48,147.88) v1(139.47,147.06) v1(140.05,161) v1(141.47,161.01) v1(150.59,161.09) v1(151.67,161.09) v1(152.51,147.93) v1(152.52,147.14) v1(159.48,147.88) v1(159.47,147.06) v1(160.05,161) v1(161.47,161.01) v1(170.59,161.09) v1(171.67,161.09) v1(172.51,147.93) v1(172.52,147.14) v1(179.48,147.88) v1(179.47,147.06) v1(180.05,161) v1(181.47,161.01) v1(190.59,161.09) v1(191.67,161.09) v1(192.51,147.93) v1(192.52,147.14) v1(199.48,147.88) v1(199.47,147.06) v1(200.05,161) v1(201.47,161.01) v1(210.59,161.09) v1(211.67,161.09) v1(212.51,147.93) v1(212.52,147.14) v1(219.48,147.88) v1(219.47,147.06) v1(220.05,161) v1(221.47,161.01) v1(230.59,161.09) v1(231.67,161.09) v1(232.51,147.93) v1(232.52,147.14) v1(239.48,147.88) v1(239.47,147.06) v1(240.05,161) v1(241.47,161.01) v1(250.59,161.09) v1(251.67,161.09) v1(252.51,147.93) v1(252.52,147.14)
AU_AUX1: length 54.4
  In4.Cu w0.2: J14.6 216.53,27.85 241.83,27.85 243.27,29.29 256.11,29.29 J22.1
AU_AUX2: length 56.9
  In3.Cu w0.2: J22.2 256.14,26.78 244.22,26.78 242.75,25.31 213.99,25.31 J15.5
AU_AUX3: length 48.3
  In4.Cu w0.2: J4.5 256.06,24.16 J22.3
AU_AUX4: length 48.3
  In4.Cu w0.2: J4.4 256.06,21.62 J22.4
AU_AUX5: length 48.3
  In4.Cu w0.2: J22.5 256.06,19.08 J4.3
AU_AUX6: length 48.3
  In4.Cu w0.2: J22.6 256.06,16.54 J4.2
BUF1_VOUT: length 76.6
  Top w0.5: 99.69,182 42.91,182 28.91,168 R16.2
BUF2_VOUT: length 61.7
  Top w0.5: 104.77,182 101.37,178.6 59.51,178.6 59.11,178.2 59.11,178.2 R17.2
BUF3_VOUT: length 46.7
  Top w0.5: R18.2 76.91,176 103.85,176 109.85,182
BUF4_VOUT: length 31.8
  Top w0.5: 114.93,182 105.93,173 93.91,173 92.31,171.4 92.31,171.4 R19.2
BUF5_VOUT: length 18.6
  Top w0.5: R20.2 108.91,170.9 120.01,182
BUF6_VOUT: length 15.6
  Top w0.5: 125.09,182 128.91,178.18 R21.2
BUF7_VOUT: length 24.6
  Top w0.5: R22.2 146,170.91 141.23,170.91 J3.18
BUF8_VOUT: length 39.5
  Top w0.5: R23.2 163.99,172.92 144.33,172.92 135.25,182
BUF9_VOUT: length 54.4
  Top w0.5: R24.2 181.86,175.05 147.28,175.05 140.33,182
BUF10_VOUT: length 69.3
  Top w0.5: R25.2 199.9,177.01 150.4,177.01 145.41,182
BUF11_VOUT: length 84.2
  Top w0.5: 150.49,182 153.69,178.8 218.11,178.8 R26.2
BUF12_VOUT: length 100.8
  Top w0.5: 155.57,182 157.57,184 232.91,184 R27.2
BUF13_VOUT: length 84.9
  Bottom w0.5: 102.23,182 100.09,179.86 34.95,179.86 R28.2
BUF14_VOUT: length 70
  Bottom w0.5: 107.31,182 103.17,177.86 52.95,177.86 R29.2
BUF15_VOUT: length 55.1
  Bottom w0.5: R30.2 70.98,175.89 106.28,175.89 112.39,182
BUF16_VOUT: length 40.2
  Bottom w0.5: R31.2 89.1,174.01 109.48,174.01 117.47,182
